# Altium PCB 智能马桶综合检测台_数据板V1.0.PcbDoc (part 6 of 8)
Units mil, origin at the board's own origin, x right, y up, seen from the top; angles counter-clockwise.
Board outline 5580 x 4007.36 mil, 2 copper layers (Top Layer, Bottom Layer); 109 components, 92 nets, 426 pads, 50 vias.
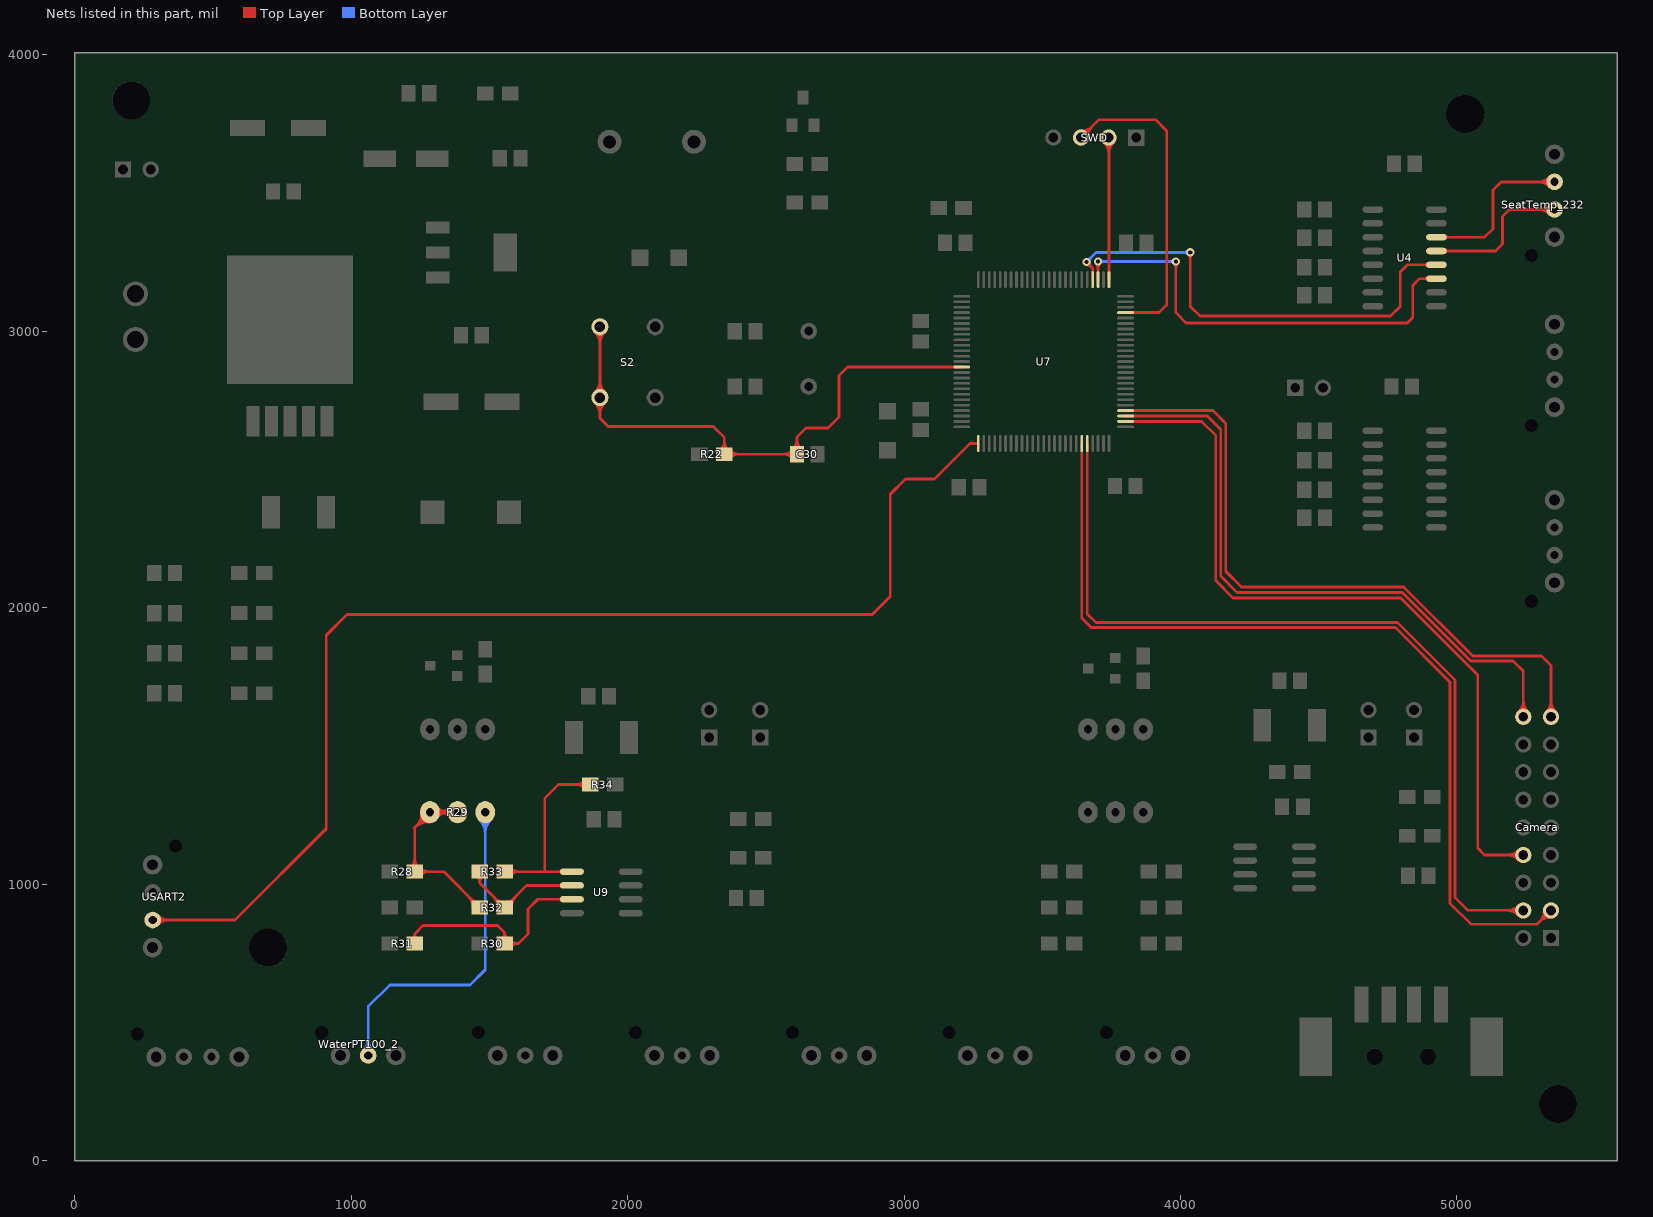
[diagram p6: the nets of this part, all layers, seen from the top]

## Via types
v1: diameter 30, hole 15, Top Layer to Bottom Layer, 31 vias
v2: diameter 40, hole 20, Top Layer to Bottom Layer, 19 vias

## Nets (pads, with @x,y where several pads share a name; then routed paths per layer and width w, separated by ;. In a path a pad name is that pad's centre, name@x,y a point inside that pad or via, vN(x,y) a via of type N, cw(c..) or ccw(c..) an arc to the next point about the centre after c; other vN are vias at no path point) (continued)
NetR28_1: R28.1 R29.2 R29.W R32.2 | length 4135
  Top Layer w10: R29.W@1385,1260 R29.2@1285,1260 1230,1205 R28.1@1230,1045 1335,1045 R32.2@1465,915 ; R28.1@1215.86,1059.14 ccw(c1181.72,1093.28) 1230,1093.28 ; R28.1@1215.86,1059.14 ccw(c1181.72,1093.28) 1230,1093.28 ; R28.1@1215.86,1059.14 ccw(c1181.72,1093.28) 1230,1093.28 ; R28.1@1215.86,1059.14 ccw(c1181.72,1093.28) 1230,1093.28 ; R28.1@1215.86,1059.14 ccw(c1181.72,1093.28) 1230,1093.28 ; R28.1@1215.86,1059.14 ccw(c1181.72,1093.28) 1230,1093.28 ; 1230,1093.28 ccw(c1278.28,1093.28) R28.1@1244.14,1059.14 ; 1230,1093.28 ccw(c1278.28,1093.28) R28.1@1244.14,1059.14 ; 1230,1093.28 ccw(c1278.28,1093.28) R28.1@1244.14,1059.14 ; 1230,1093.28 ccw(c1278.28,1093.28) R28.1@1244.14,1059.14 ; 1230,1093.28 ccw(c1278.28,1093.28) R28.1@1244.14,1059.14 ; 1230,1093.28 ccw(c1278.28,1093.28) R28.1@1244.14,1059.14 ; R28.1@1249.14,1030.86 cw(c1283.28,996.72) 1283.28,1045 ; R28.1@1249.14,1030.86 cw(c1283.28,996.72) 1283.28,1045 ; R28.1@1249.14,1030.86 cw(c1283.28,996.72) 1283.28,1045 ; R28.1@1249.14,1030.86 cw(c1283.28,996.72) 1283.28,1045 ; R28.1@1249.14,1030.86 cw(c1283.28,996.72) 1283.28,1045 ; R28.1@1249.14,1030.86 cw(c1283.28,996.72) 1283.28,1045 ; R28.1@1249.14,1059.14 ccw(c1283.28,1093.28) 1283.28,1045 ; R28.1@1249.14,1059.14 ccw(c1283.28,1093.28) 1283.28,1045 ; R28.1@1249.14,1059.14 ccw(c1283.28,1093.28) 1283.28,1045 ; R28.1@1249.14,1059.14 ccw(c1283.28,1093.28) 1283.28,1045 ; R28.1@1249.14,1059.14 ccw(c1283.28,1093.28) 1283.28,1045 ; R28.1@1249.14,1059.14 ccw(c1283.28,1093.28) 1283.28,1045 ; 1253.21,1228.21 ccw(c1221.42,1260) R29.2@1266.38,1260 ; 1253.21,1228.21 cw(c1285,1196.42) R29.2@1285,1241.38 ; 1253.21,1228.21 ccw(c1221.42,1260) R29.2@1266.38,1260 ; 1253.21,1228.21 cw(c1285,1196.42) R29.2@1285,1241.38 ; 1253.21,1228.21 ccw(c1221.42,1260) R29.2@1266.38,1260 ; 1253.21,1228.21 cw(c1285,1196.42) R29.2@1285,1241.38 ; 1253.21,1228.21 ccw(c1221.42,1260) R29.2@1266.38,1260 ; 1253.21,1228.21 cw(c1285,1196.42) R29.2@1285,1241.38 ; R29.2@1298.17,1246.83 cw(c1329.96,1215.04) 1329.96,1260 ; R29.2@1298.17,1246.83 cw(c1329.96,1215.04) 1329.96,1260 ; R29.2@1298.17,1246.83 cw(c1329.96,1215.04) 1329.96,1260 ; R29.2@1298.17,1246.83 cw(c1329.96,1215.04) 1329.96,1260 ; R29.2@1298.17,1273.17 ccw(c1329.96,1304.96) 1329.96,1260 ; R29.2@1298.17,1273.17 ccw(c1329.96,1304.96) 1329.96,1260 ; R29.2@1298.17,1273.17 ccw(c1329.96,1304.96) 1329.96,1260 ; R29.2@1298.17,1273.17 ccw(c1329.96,1304.96) 1329.96,1260 ; R29.2@1312.57,1260 cw(c1312.57,1187.57) 1363.79,1238.79 ccw(c1312.57,1187.57) R29.2@1312.57,1260 ; R29.2@1312.57,1260 ccw(c1312.57,1332.43) 1363.79,1281.21 cw(c1312.57,1332.43) R29.2@1312.57,1260 ; 1333.28,1260 cw(c1333.28,1308.28) 1299.14,1274.14 ccw(c1333.28,1308.28) 1333.28,1260 ; 1333.28,1260 ccw(c1333.28,1211.72) 1299.14,1245.86 cw(c1333.28,1211.72) 1333.28,1260 ; 1336.72,1260 cw(c1336.72,1211.72) 1370.86,1245.86 ccw(c1336.72,1211.72) 1336.72,1260 ; 1336.72,1260 ccw(c1336.72,1308.28) 1370.86,1274.14 cw(c1336.72,1308.28) 1336.72,1260 ; 1340.04,1260 ccw(c1340.04,1304.96) R29.W@1371.83,1273.17 ; 1340.04,1260 cw(c1340.04,1215.04) R29.W@1371.83,1246.83 ; 1340.04,1260 ccw(c1340.04,1304.96) R29.W@1371.83,1273.17 ; 1340.04,1260 cw(c1340.04,1215.04) R29.W@1371.83,1246.83 ; 1340.04,1260 ccw(c1340.04,1304.96) R29.W@1371.83,1273.17 ; 1340.04,1260 cw(c1340.04,1215.04) R29.W@1371.83,1246.83 ; 1340.04,1260 ccw(c1340.04,1304.96) R29.W@1371.83,1273.17 ; 1340.04,1260 cw(c1340.04,1215.04) R29.W@1371.83,1246.83 ; R29.W@1357.43,1260 cw(c1357.43,1332.43) 1306.21,1281.21 ccw(c1357.43,1332.43) R29.W@1357.43,1260 ; R29.W@1357.43,1260 ccw(c1357.43,1187.57) 1306.21,1238.79 cw(c1357.43,1187.57) R29.W@1357.43,1260 ; 1422.32,957.68 cw(c1379.64,915) R32.2@1440,915 ; 1422.32,957.68 cw(c1379.64,915) R32.2@1440,915 ; 1422.32,957.68 cw(c1379.64,915) R32.2@1440,915 ; 1422.32,957.68 cw(c1379.64,915) R32.2@1440,915 ; 1422.32,957.68 cw(c1379.64,915) R32.2@1440,915 ; 1422.32,957.68 cw(c1379.64,915) R32.2@1440,915 ; 1434.39,945.61 ccw(c1460,971.21) R32.2@1460,935 ; 1434.39,945.61 ccw(c1460,971.21) R32.2@1460,935 ; 1434.39,945.61 ccw(c1460,971.21) R32.2@1460,935 ; 1434.39,945.61 ccw(c1460,971.21) R32.2@1460,935 ; 1434.39,945.61 ccw(c1460,971.21) R32.2@1460,935 ; 1434.39,945.61 ccw(c1460,971.21) R32.2@1460,935 ; 1439.39,940.61 cw(c1413.79,915) R32.2@1450,915 ; 1439.39,940.61 cw(c1413.79,915) R32.2@1450,915 ; 1439.39,940.61 cw(c1413.79,915) R32.2@1450,915 ; 1439.39,940.61 cw(c1413.79,915) R32.2@1450,915 ; 1439.39,940.61 cw(c1413.79,915) R32.2@1450,915 ; 1439.39,940.61 cw(c1413.79,915) R32.2@1450,915 ; 1227.5,1202.5 cw(c1281.92,1148.08) 1284.14,1225.01 ccw(c1281.92,1148.08) 1227.5,1202.5 ; 1237.32,1212.32 ccw(c1194.64,1255) 1255,1255 cw(c1194.64,1255) 1237.32,1212.32 ; 1243.9,1218.9 cw(c1282.84,1179.97) 1284.42,1235.01 ccw(c1282.84,1179.97) 1243.9,1218.9 ; 1254.39,1229.39 ccw(c1228.79,1255) 1265,1255 cw(c1228.79,1255) 1254.39,1229.39
NetR29_1: R29.1 WaterPT100_2.2 | length 2797.1
  Bottom Layer w10: WaterPT100_2.2@1061.67,380 1061.67,556.67 1140,635 1430,635 1485,690 R29.1@1485,1260 ; WaterPT100_2.2@1043.99,397.68 ccw(c1001.31,440.36) 1061.67,440.36 ; WaterPT100_2.2@1043.99,397.68 ccw(c1001.31,440.36) 1061.67,440.36 ; WaterPT100_2.2@1043.99,397.68 ccw(c1001.31,440.36) 1061.67,440.36 ; WaterPT100_2.2@1043.99,397.68 ccw(c1001.31,440.36) 1061.67,440.36 ; WaterPT100_2.2@1043.99,397.68 ccw(c1001.31,440.36) 1061.67,440.36 ; WaterPT100_2.2@1043.99,397.68 ccw(c1001.31,440.36) 1061.67,440.36 ; WaterPT100_2.2@1051.06,390.61 ccw(c1025.45,416.21) 1061.67,416.21 ; WaterPT100_2.2@1051.06,390.61 ccw(c1025.45,416.21) 1061.67,416.21 ; WaterPT100_2.2@1051.06,390.61 ccw(c1025.45,416.21) 1061.67,416.21 ; WaterPT100_2.2@1051.06,390.61 ccw(c1025.45,416.21) 1061.67,416.21 ; WaterPT100_2.2@1051.06,390.61 ccw(c1025.45,416.21) 1061.67,416.21 ; WaterPT100_2.2@1051.06,390.61 ccw(c1025.45,416.21) 1061.67,416.21 ; 1061.67,416.21 ccw(c1097.88,416.21) WaterPT100_2.2@1072.27,390.61 ; 1061.67,416.21 ccw(c1097.88,416.21) WaterPT100_2.2@1072.27,390.61 ; 1061.67,416.21 ccw(c1097.88,416.21) WaterPT100_2.2@1072.27,390.61 ; 1061.67,416.21 ccw(c1097.88,416.21) WaterPT100_2.2@1072.27,390.61 ; 1061.67,416.21 ccw(c1097.88,416.21) WaterPT100_2.2@1072.27,390.61 ; 1061.67,416.21 ccw(c1097.88,416.21) WaterPT100_2.2@1072.27,390.61 ; 1061.67,440.36 ccw(c1122.02,440.36) WaterPT100_2.2@1079.34,397.68 ; 1061.67,440.36 ccw(c1122.02,440.36) WaterPT100_2.2@1079.34,397.68 ; 1061.67,440.36 ccw(c1122.02,440.36) WaterPT100_2.2@1079.34,397.68 ; 1061.67,440.36 ccw(c1122.02,440.36) WaterPT100_2.2@1079.34,397.68 ; 1061.67,440.36 ccw(c1122.02,440.36) WaterPT100_2.2@1079.34,397.68 ; 1061.67,440.36 ccw(c1122.02,440.36) WaterPT100_2.2@1079.34,397.68 ; R29.1@1471.83,1246.83 cw(c1440.04,1215.04) 1485,1215.04 ; R29.1@1471.83,1246.83 cw(c1440.04,1215.04) 1485,1215.04 ; R29.1@1471.83,1246.83 cw(c1440.04,1215.04) 1485,1215.04 ; R29.1@1471.83,1246.83 cw(c1440.04,1215.04) 1485,1215.04 ; 1485,1182.57 cw(c1557.43,1182.57) 1506.21,1233.79 ccw(c1557.43,1182.57) 1485,1182.57 ; 1485,1182.57 ccw(c1412.57,1182.57) 1463.79,1233.79 cw(c1412.57,1182.57) 1485,1182.57 ; 1485,1206.72 cw(c1533.28,1206.72) 1499.14,1240.86 ccw(c1533.28,1206.72) 1485,1206.72 ; 1485,1206.72 ccw(c1436.72,1206.72) 1470.86,1240.86 cw(c1436.72,1206.72) 1485,1206.72 ; 1485,1215.04 cw(c1529.96,1215.04) R29.1@1498.17,1246.83 ; 1485,1215.04 cw(c1529.96,1215.04) R29.1@1498.17,1246.83 ; 1485,1215.04 cw(c1529.96,1215.04) R29.1@1498.17,1246.83 ; 1485,1215.04 cw(c1529.96,1215.04) R29.1@1498.17,1246.83
NetR30_1: R30.1 R31.1 U9.3 | length 1938.9
  Top Layer w10: R31.1@1230,785 1230,820 ; U9.3@1798.7,945 1675,945 1640,910 1640,820 1605,785 ; R31.1@1219.85,802.23 ccw(c1209.38,820) 1230,820 ; R31.1@1219.85,802.23 ccw(c1209.38,820) 1230,820 ; R31.1@1219.85,802.23 ccw(c1209.38,820) 1230,820 ; R31.1@1219.85,802.23 ccw(c1209.38,820) 1230,820 ; R31.1@1219.85,802.23 ccw(c1209.38,820) 1230,820 ; R31.1@1219.85,802.23 ccw(c1209.38,820) 1230,820 ; 1230,820 ccw(c1250.62,820) R31.1@1240.15,802.23 ; 1230,820 ccw(c1250.62,820) R31.1@1240.15,802.23 ; 1230,820 ccw(c1250.62,820) R31.1@1240.15,802.23 ; 1230,820 ccw(c1250.62,820) R31.1@1240.15,802.23 ; 1230,820 ccw(c1250.62,820) R31.1@1240.15,802.23 ; 1230,820 ccw(c1250.62,820) R31.1@1240.15,802.23 ; 1230,820 1260,850 1530,850 1555,825 ; R30.1@1543,801 ccw(c1525,825) 1555,825 ; R30.1@1543,801 ccw(c1525,825) 1555,825 ; R30.1@1543,801 ccw(c1525,825) 1555,825 ; R30.1@1543,801 ccw(c1525,825) 1555,825 ; R30.1@1543,801 ccw(c1525,825) 1555,825 ; R30.1@1543,801 ccw(c1525,825) 1555,825 ; 1555,825 ccw(c1585,825) R30.1@1567,801 ; 1555,825 ccw(c1585,825) R30.1@1567,801 ; 1555,825 ccw(c1585,825) R30.1@1567,801 ; 1555,825 ccw(c1585,825) R30.1@1567,801 ; 1555,825 ccw(c1585,825) R30.1@1567,801 ; 1555,825 ccw(c1585,825) R30.1@1567,801 ; 1555,825 R30.1@1555,785 1605,785 ; R30.1@1574.85,771.6 cw(c1605,744.38) 1605,785 ; R30.1@1574.85,771.6 cw(c1605,744.38) 1605,785 ; R30.1@1574.85,771.6 cw(c1605,744.38) 1605,785 ; R30.1@1574.85,771.6 cw(c1605,744.38) 1605,785 ; R30.1@1574.85,771.6 cw(c1605,744.38) 1605,785 ; R30.1@1574.85,771.6 cw(c1605,744.38) 1605,785 ; R30.1@1574.85,798.4 ccw(c1605,825.62) 1605,785 ; R30.1@1574.85,798.4 ccw(c1605,825.62) 1605,785 ; R30.1@1574.85,798.4 ccw(c1605,825.62) 1605,785 ; R30.1@1574.85,798.4 ccw(c1605,825.62) 1605,785 ; R30.1@1574.85,798.4 ccw(c1605,825.62) 1605,785 ; R30.1@1574.85,798.4 ccw(c1605,825.62) 1605,785 ; 1750.76,945 cw(c1750.76,928.56) U9.3@1762.39,940.18 ; 1750.76,945 ccw(c1750.76,961.44) U9.3@1762.39,949.82 ; 1750.76,945 ccw(c1750.76,961.44) U9.3@1762.39,949.82 ; 1750.76,945 cw(c1750.76,928.56) U9.3@1762.39,940.18 ; 1750.76,945 ccw(c1750.76,961.44) U9.3@1762.39,949.82 ; 1750.76,945 cw(c1750.76,928.56) U9.3@1762.39,940.18 ; 1750.76,945 ccw(c1750.76,961.44) U9.3@1762.39,949.82 ; 1750.76,945 cw(c1750.76,928.56) U9.3@1762.39,940.18 ; 1750.76,945 ccw(c1750.76,961.44) U9.3@1762.39,949.82 ; 1750.76,945 cw(c1750.76,928.56) U9.3@1762.39,940.18 ; 1750.76,945 ccw(c1750.76,961.44) U9.3@1762.39,949.82 ; 1750.76,945 cw(c1750.76,928.56) U9.3@1762.39,940.18
NetR32_1: R32.1 R33.2 U9.2 | length 2184.3
  Top Layer w10: R33.2@1465,1045 1465,1005 ; U9.2@1798.7,995 1635,995 R32.1@1555,915 1465,1005 ; R33.2@1453,1029 cw(c1435,1005) 1465,1005 ; R33.2@1453,1029 cw(c1435,1005) 1465,1005 ; R33.2@1453,1029 cw(c1435,1005) 1465,1005 ; R33.2@1453,1029 cw(c1435,1005) 1465,1005 ; R33.2@1453,1029 cw(c1435,1005) 1465,1005 ; R33.2@1453,1029 cw(c1435,1005) 1465,1005 ; 1465,1005 cw(c1495,1005) R33.2@1477,1029 ; 1465,1005 cw(c1495,1005) R33.2@1477,1029 ; 1465,1005 cw(c1495,1005) R33.2@1477,1029 ; 1465,1005 cw(c1495,1005) R33.2@1477,1029 ; 1465,1005 cw(c1495,1005) R33.2@1477,1029 ; 1465,1005 cw(c1495,1005) R33.2@1477,1029 ; 1512.32,957.68 cw(c1469.64,915) R32.1@1530,915 ; 1512.32,957.68 cw(c1469.64,915) R32.1@1530,915 ; 1512.32,957.68 cw(c1469.64,915) R32.1@1530,915 ; 1512.32,957.68 cw(c1469.64,915) R32.1@1530,915 ; 1512.32,957.68 cw(c1469.64,915) R32.1@1530,915 ; 1512.32,957.68 cw(c1469.64,915) R32.1@1530,915 ; 1524.39,945.61 ccw(c1550,971.21) R32.1@1550,935 ; 1524.39,945.61 ccw(c1550,971.21) R32.1@1550,935 ; 1524.39,945.61 ccw(c1550,971.21) R32.1@1550,935 ; 1524.39,945.61 ccw(c1550,971.21) R32.1@1550,935 ; 1524.39,945.61 ccw(c1550,971.21) R32.1@1550,935 ; 1524.39,945.61 ccw(c1550,971.21) R32.1@1550,935 ; 1529.39,940.61 cw(c1503.79,915) R32.1@1540,915 ; 1529.39,940.61 cw(c1503.79,915) R32.1@1540,915 ; 1529.39,940.61 cw(c1503.79,915) R32.1@1540,915 ; 1529.39,940.61 cw(c1503.79,915) R32.1@1540,915 ; 1529.39,940.61 cw(c1503.79,915) R32.1@1540,915 ; 1529.39,940.61 cw(c1503.79,915) R32.1@1540,915 ; R32.1@1560,935 ccw(c1560,971.21) 1585.61,945.61 ; R32.1@1560,935 ccw(c1560,971.21) 1585.61,945.61 ; R32.1@1560,935 ccw(c1560,971.21) 1585.61,945.61 ; R32.1@1560,935 ccw(c1560,971.21) 1585.61,945.61 ; R32.1@1560,935 ccw(c1560,971.21) 1585.61,945.61 ; R32.1@1560,935 ccw(c1560,971.21) 1585.61,945.61 ; R32.1@1570,915 cw(c1606.21,915) 1580.61,940.61 ; R32.1@1570,915 cw(c1606.21,915) 1580.61,940.61 ; R32.1@1570,915 cw(c1606.21,915) 1580.61,940.61 ; R32.1@1570,915 cw(c1606.21,915) 1580.61,940.61 ; R32.1@1570,915 cw(c1606.21,915) 1580.61,940.61 ; R32.1@1570,915 cw(c1606.21,915) 1580.61,940.61 ; R32.1@1580,915 cw(c1640.36,915) 1597.68,957.68 ; R32.1@1580,915 cw(c1640.36,915) 1597.68,957.68 ; R32.1@1580,915 cw(c1640.36,915) 1597.68,957.68 ; R32.1@1580,915 cw(c1640.36,915) 1597.68,957.68 ; R32.1@1580,915 cw(c1640.36,915) 1597.68,957.68 ; R32.1@1580,915 cw(c1640.36,915) 1597.68,957.68 ; 1750.76,995 cw(c1750.76,978.56) U9.2@1762.39,990.18 ; 1750.76,995 ccw(c1750.76,1011.44) U9.2@1762.39,999.82 ; 1750.76,995 ccw(c1750.76,1011.44) U9.2@1762.39,999.82 ; 1750.76,995 cw(c1750.76,978.56) U9.2@1762.39,990.18 ; 1750.76,995 ccw(c1750.76,1011.44) U9.2@1762.39,999.82 ; 1750.76,995 cw(c1750.76,978.56) U9.2@1762.39,990.18 ; 1750.76,995 ccw(c1750.76,1011.44) U9.2@1762.39,999.82 ; 1750.76,995 cw(c1750.76,978.56) U9.2@1762.39,990.18 ; 1750.76,995 ccw(c1750.76,1011.44) U9.2@1762.39,999.82 ; 1750.76,995 cw(c1750.76,978.56) U9.2@1762.39,990.18 ; 1750.76,995 ccw(c1750.76,1011.44) U9.2@1762.39,999.82 ; 1750.76,995 cw(c1750.76,978.56) U9.2@1762.39,990.18
NetR33_1: R33.1 R34.2 U9.1 | length 1759.5
  Top Layer w10: R33.1@1555,1045 U9.1@1798.7,1045 ; 1700,1045 1700,1310 1750,1360 R34.2@1865,1360 ; R33.1@1574.14,1030.86 cw(c1608.28,996.72) 1608.28,1045 ; R33.1@1574.14,1030.86 cw(c1608.28,996.72) 1608.28,1045 ; R33.1@1574.14,1030.86 cw(c1608.28,996.72) 1608.28,1045 ; R33.1@1574.14,1030.86 cw(c1608.28,996.72) 1608.28,1045 ; R33.1@1574.14,1030.86 cw(c1608.28,996.72) 1608.28,1045 ; R33.1@1574.14,1030.86 cw(c1608.28,996.72) 1608.28,1045 ; R33.1@1574.14,1059.14 ccw(c1608.28,1093.28) 1608.28,1045 ; R33.1@1574.14,1059.14 ccw(c1608.28,1093.28) 1608.28,1045 ; R33.1@1574.14,1059.14 ccw(c1608.28,1093.28) 1608.28,1045 ; R33.1@1574.14,1059.14 ccw(c1608.28,1093.28) 1608.28,1045 ; R33.1@1574.14,1059.14 ccw(c1608.28,1093.28) 1608.28,1045 ; R33.1@1574.14,1059.14 ccw(c1608.28,1093.28) 1608.28,1045 ; 1750.76,1045 cw(c1750.76,1028.56) U9.1@1762.39,1040.18 ; 1750.76,1045 ccw(c1750.76,1061.44) U9.1@1762.39,1049.82 ; 1750.76,1045 ccw(c1750.76,1061.44) U9.1@1762.39,1049.82 ; 1750.76,1045 cw(c1750.76,1028.56) U9.1@1762.39,1040.18 ; 1750.76,1045 ccw(c1750.76,1061.44) U9.1@1762.39,1049.82 ; 1750.76,1045 cw(c1750.76,1028.56) U9.1@1762.39,1040.18 ; 1750.76,1045 ccw(c1750.76,1061.44) U9.1@1762.39,1049.82 ; 1750.76,1045 cw(c1750.76,1028.56) U9.1@1762.39,1040.18 ; 1750.76,1045 ccw(c1750.76,1061.44) U9.1@1762.39,1049.82 ; 1750.76,1045 cw(c1750.76,1028.56) U9.1@1762.39,1040.18 ; 1750.76,1045 ccw(c1750.76,1061.44) U9.1@1762.39,1049.82 ; 1750.76,1045 cw(c1750.76,1028.56) U9.1@1762.39,1040.18 ; 1811.72,1360 cw(c1811.72,1311.72) R34.2@1845.86,1345.86 ; 1811.72,1360 ccw(c1811.72,1408.28) R34.2@1845.86,1374.14 ; 1811.72,1360 ccw(c1811.72,1408.28) R34.2@1845.86,1374.14 ; 1811.72,1360 cw(c1811.72,1311.72) R34.2@1845.86,1345.86 ; 1811.72,1360 ccw(c1811.72,1408.28) R34.2@1845.86,1374.14 ; 1811.72,1360 cw(c1811.72,1311.72) R34.2@1845.86,1345.86 ; 1811.72,1360 ccw(c1811.72,1408.28) R34.2@1845.86,1374.14 ; 1811.72,1360 cw(c1811.72,1311.72) R34.2@1845.86,1345.86 ; 1811.72,1360 ccw(c1811.72,1408.28) R34.2@1845.86,1374.14 ; 1811.72,1360 cw(c1811.72,1311.72) R34.2@1845.86,1345.86 ; 1811.72,1360 ccw(c1811.72,1408.28) R34.2@1845.86,1374.14 ; 1811.72,1360 cw(c1811.72,1311.72) R34.2@1845.86,1345.86
NRST: C30.1 R22.1 S2.1 U7.14 | length 6697.9
  Top Layer w10: S2.1@1900,3015.91 1900,2685 1930,2655 2310,2655 2350,2615 R22.1@2350,2555 C30.1@2612.6,2555 2612.6,2617.6 2645,2650 2725,2650 2765,2690 2765,2840 2795.31,2870.32 U7.14@3208.74,2870.32 ; S2.1@1881.62,2741.62 cw(c1837.23,2697.23) 1900,2697.23 ; S2.1@1881.62,2741.62 cw(c1837.23,2697.23) 1900,2697.23 ; S2.1@1881.62,2741.62 cw(c1837.23,2697.23) 1900,2697.23 ; S2.1@1881.62,2741.62 cw(c1837.23,2697.23) 1900,2697.23 ; S2.1@1881.62,2741.62 cw(c1837.23,2697.23) 1900,2697.23 ; S2.1@1881.62,2741.62 cw(c1837.23,2697.23) 1900,2697.23 ; S2.1@1881.62,2778.38 ccw(c1837.23,2822.77) 1900,2822.77 ; S2.1@1881.62,2778.38 ccw(c1837.23,2822.77) 1900,2822.77 ; S2.1@1881.62,2778.38 ccw(c1837.23,2822.77) 1900,2822.77 ; S2.1@1881.62,2778.38 ccw(c1837.23,2822.77) 1900,2822.77 ; S2.1@1881.62,2778.38 ccw(c1837.23,2822.77) 1900,2822.77 ; S2.1@1881.62,2778.38 ccw(c1837.23,2822.77) 1900,2822.77 ; S2.1@1881.62,2997.52 cw(c1837.23,2953.14) 1900,2953.14 ; S2.1@1881.62,2997.52 cw(c1837.23,2953.14) 1900,2953.14 ; S2.1@1881.62,2997.52 cw(c1837.23,2953.14) 1900,2953.14 ; S2.1@1881.62,2997.52 cw(c1837.23,2953.14) 1900,2953.14 ; S2.1@1881.62,2997.52 cw(c1837.23,2953.14) 1900,2953.14 ; S2.1@1881.62,2997.52 cw(c1837.23,2953.14) 1900,2953.14 ; S2.1@1888.69,2748.69 cw(c1861.37,2721.37) 1900,2721.37 ; S2.1@1888.69,2748.69 cw(c1861.37,2721.37) 1900,2721.37 ; S2.1@1888.69,2748.69 cw(c1861.37,2721.37) 1900,2721.37 ; S2.1@1888.69,2748.69 cw(c1861.37,2721.37) 1900,2721.37 ; S2.1@1888.69,2748.69 cw(c1861.37,2721.37) 1900,2721.37 ; S2.1@1888.69,2748.69 cw(c1861.37,2721.37) 1900,2721.37 ; S2.1@1888.69,2771.31 ccw(c1861.37,2798.63) 1900,2798.63 ; S2.1@1888.69,2771.31 ccw(c1861.37,2798.63) 1900,2798.63 ; S2.1@1888.69,2771.31 ccw(c1861.37,2798.63) 1900,2798.63 ; S2.1@1888.69,2771.31 ccw(c1861.37,2798.63) 1900,2798.63 ; S2.1@1888.69,2771.31 ccw(c1861.37,2798.63) 1900,2798.63 ; S2.1@1888.69,2771.31 ccw(c1861.37,2798.63) 1900,2798.63 ; S2.1@1888.69,3004.59 cw(c1861.37,2977.28) 1900,2977.28 ; S2.1@1888.69,3004.59 cw(c1861.37,2977.28) 1900,2977.28 ; S2.1@1888.69,3004.59 cw(c1861.37,2977.28) 1900,2977.28 ; S2.1@1888.69,3004.59 cw(c1861.37,2977.28) 1900,2977.28 ; S2.1@1888.69,3004.59 cw(c1861.37,2977.28) 1900,2977.28 ; S2.1@1888.69,3004.59 cw(c1861.37,2977.28) 1900,2977.28 ; 1900,2697.23 cw(c1962.77,2697.23) S2.1@1918.38,2741.62 ; 1900,2697.23 cw(c1962.77,2697.23) S2.1@1918.38,2741.62 ; 1900,2697.23 cw(c1962.77,2697.23) S2.1@1918.38,2741.62 ; 1900,2697.23 cw(c1962.77,2697.23) S2.1@1918.38,2741.62 ; 1900,2697.23 cw(c1962.77,2697.23) S2.1@1918.38,2741.62 ; 1900,2697.23 cw(c1962.77,2697.23) S2.1@1918.38,2741.62 ; 1900,2721.37 cw(c1938.63,2721.37) S2.1@1911.31,2748.69 ; 1900,2721.37 cw(c1938.63,2721.37) S2.1@1911.31,2748.69 ; 1900,2721.37 cw(c1938.63,2721.37) S2.1@1911.31,2748.69 ; 1900,2721.37 cw(c1938.63,2721.37) S2.1@1911.31,2748.69 ; 1900,2721.37 cw(c1938.63,2721.37) S2.1@1911.31,2748.69 ; 1900,2721.37 cw(c1938.63,2721.37) S2.1@1911.31,2748.69 ; 1900,2798.63 ccw(c1938.63,2798.63) S2.1@1911.31,2771.31 ; 1900,2798.63 ccw(c1938.63,2798.63) S2.1@1911.31,2771.31 ; 1900,2798.63 ccw(c1938.63,2798.63) S2.1@1911.31,2771.31 ; 1900,2798.63 ccw(c1938.63,2798.63) S2.1@1911.31,2771.31 ; 1900,2798.63 ccw(c1938.63,2798.63) S2.1@1911.31,2771.31 ; 1900,2798.63 ccw(c1938.63,2798.63) S2.1@1911.31,2771.31 ; 1900,2822.77 ccw(c1962.77,2822.77) S2.1@1918.38,2778.38 ; 1900,2822.77 ccw(c1962.77,2822.77) S2.1@1918.38,2778.38 ; 1900,2822.77 ccw(c1962.77,2822.77) S2.1@1918.38,2778.38 ; 1900,2822.77 ccw(c1962.77,2822.77) S2.1@1918.38,2778.38 ; 1900,2822.77 ccw(c1962.77,2822.77) S2.1@1918.38,2778.38 ; 1900,2822.77 ccw(c1962.77,2822.77) S2.1@1918.38,2778.38 ; 1900,2953.14 cw(c1962.77,2953.14) S2.1@1918.38,2997.52 ; 1900,2953.14 cw(c1962.77,2953.14) S2.1@1918.38,2997.52 ; 1900,2953.14 cw(c1962.77,2953.14) S2.1@1918.38,2997.52 ; 1900,2953.14 cw(c1962.77,2953.14) S2.1@1918.38,2997.52 ; 1900,2953.14 cw(c1962.77,2953.14) S2.1@1918.38,2997.52 ; 1900,2953.14 cw(c1962.77,2953.14) S2.1@1918.38,2997.52 ; 1900,2977.28 cw(c1938.63,2977.28) S2.1@1911.31,3004.59 ; 1900,2977.28 cw(c1938.63,2977.28) S2.1@1911.31,3004.59 ; 1900,2977.28 cw(c1938.63,2977.28) S2.1@1911.31,3004.59 ; 1900,2977.28 cw(c1938.63,2977.28) S2.1@1911.31,3004.59 ; 1900,2977.28 cw(c1938.63,2977.28) S2.1@1911.31,3004.59 ; 1900,2977.28 cw(c1938.63,2977.28) S2.1@1911.31,3004.59 ; R22.1@2335.86,2569.14 ccw(c2301.72,2603.28) 2350,2603.28 ; R22.1@2335.86,2569.14 ccw(c2301.72,2603.28) 2350,2603.28 ; R22.1@2335.86,2569.14 ccw(c2301.72,2603.28) 2350,2603.28 ; R22.1@2335.86,2569.14 ccw(c2301.72,2603.28) 2350,2603.28 ; R22.1@2335.86,2569.14 ccw(c2301.72,2603.28) 2350,2603.28 ; R22.1@2335.86,2569.14 ccw(c2301.72,2603.28) 2350,2603.28 ; 2350,2603.28 ccw(c2398.28,2603.28) R22.1@2364.14,2569.14 ; 2350,2603.28 ccw(c2398.28,2603.28) R22.1@2364.14,2569.14 ; 2350,2603.28 ccw(c2398.28,2603.28) R22.1@2364.14,2569.14 ; 2350,2603.28 ccw(c2398.28,2603.28) R22.1@2364.14,2569.14 ; 2350,2603.28 ccw(c2398.28,2603.28) R22.1@2364.14,2569.14 ; 2350,2603.28 ccw(c2398.28,2603.28) R22.1@2364.14,2569.14 ; R22.1@2369.14,2540.86 cw(c2403.28,2506.72) 2403.28,2555 ; R22.1@2369.14,2540.86 cw(c2403.28,2506.72) 2403.28,2555 ; R22.1@2369.14,2540.86 cw(c2403.28,2506.72) 2403.28,2555 ; R22.1@2369.14,2540.86 cw(c2403.28,2506.72) 2403.28,2555 ; R22.1@2369.14,2540.86 cw(c2403.28,2506.72) 2403.28,2555 ; R22.1@2369.14,2540.86 cw(c2403.28,2506.72) 2403.28,2555 ; R22.1@2369.14,2569.14 ccw(c2403.28,2603.28) 2403.28,2555 ; R22.1@2369.14,2569.14 ccw(c2403.28,2603.28) 2403.28,2555 ; R22.1@2369.14,2569.14 ccw(c2403.28,2603.28) 2403.28,2555 ; R22.1@2369.14,2569.14 ccw(c2403.28,2603.28) 2403.28,2555 ; R22.1@2369.14,2569.14 ccw(c2403.28,2603.28) 2403.28,2555 ; R22.1@2369.14,2569.14 ccw(c2403.28,2603.28) 2403.28,2555 ; 2562.89,2555 cw(c2562.89,2505.29) C30.1@2598.04,2540.44 ; 2562.89,2555 ccw(c2562.89,2604.71) C30.1@2598.04,2569.56 ; 2562.89,2555 ccw(c2562.89,2604.71) C30.1@2598.04,2569.56 ; 2562.89,2555 cw(c2562.89,2505.29) C30.1@2598.04,2540.44 ; 2562.89,2555 ccw(c2562.89,2604.71) C30.1@2598.04,2569.56 ; 2562.89,2555 cw(c2562.89,2505.29) C30.1@2598.04,2540.44 ; 2562.89,2555 ccw(c2562.89,2604.71) C30.1@2598.04,2569.56 ; 2562.89,2555 cw(c2562.89,2505.29) C30.1@2598.04,2540.44 ; 2562.89,2555 ccw(c2562.89,2604.71) C30.1@2598.04,2569.56 ; 2562.89,2555 cw(c2562.89,2505.29) C30.1@2598.04,2540.44 ; 2562.89,2555 ccw(c2562.89,2604.71) C30.1@2598.04,2569.56 ; 2562.89,2555 cw(c2562.89,2505.29) C30.1@2598.04,2540.44 ; C30.1@2598.04,2573.5 ccw(c2562.89,2608.65) 2612.6,2608.65 ; C30.1@2598.04,2573.5 ccw(c2562.89,2608.65) 2612.6,2608.65 ; C30.1@2598.04,2573.5 ccw(c2562.89,2608.65) 2612.6,2608.65 ; C30.1@2598.04,2573.5 ccw(c2562.89,2608.65) 2612.6,2608.65 ; C30.1@2598.04,2573.5 ccw(c2562.89,2608.65) 2612.6,2608.65 ; C30.1@2598.04,2573.5 ccw(c2562.89,2608.65) 2612.6,2608.65 ; 2612.6,2608.65 ccw(c2662.31,2608.65) C30.1@2627.16,2573.5 ; 2612.6,2608.65 ccw(c2662.31,2608.65) C30.1@2627.16,2573.5 ; 2612.6,2608.65 ccw(c2662.31,2608.65) C30.1@2627.16,2573.5 ; 2612.6,2608.65 ccw(c2662.31,2608.65) C30.1@2627.16,2573.5 ; 2612.6,2608.65 ccw(c2662.31,2608.65) C30.1@2627.16,2573.5 ; 2612.6,2608.65 ccw(c2662.31,2608.65) C30.1@2627.16,2573.5